# Altium PCB hand_main_board_v2.PcbDoc (part 1 of 4) (continued)
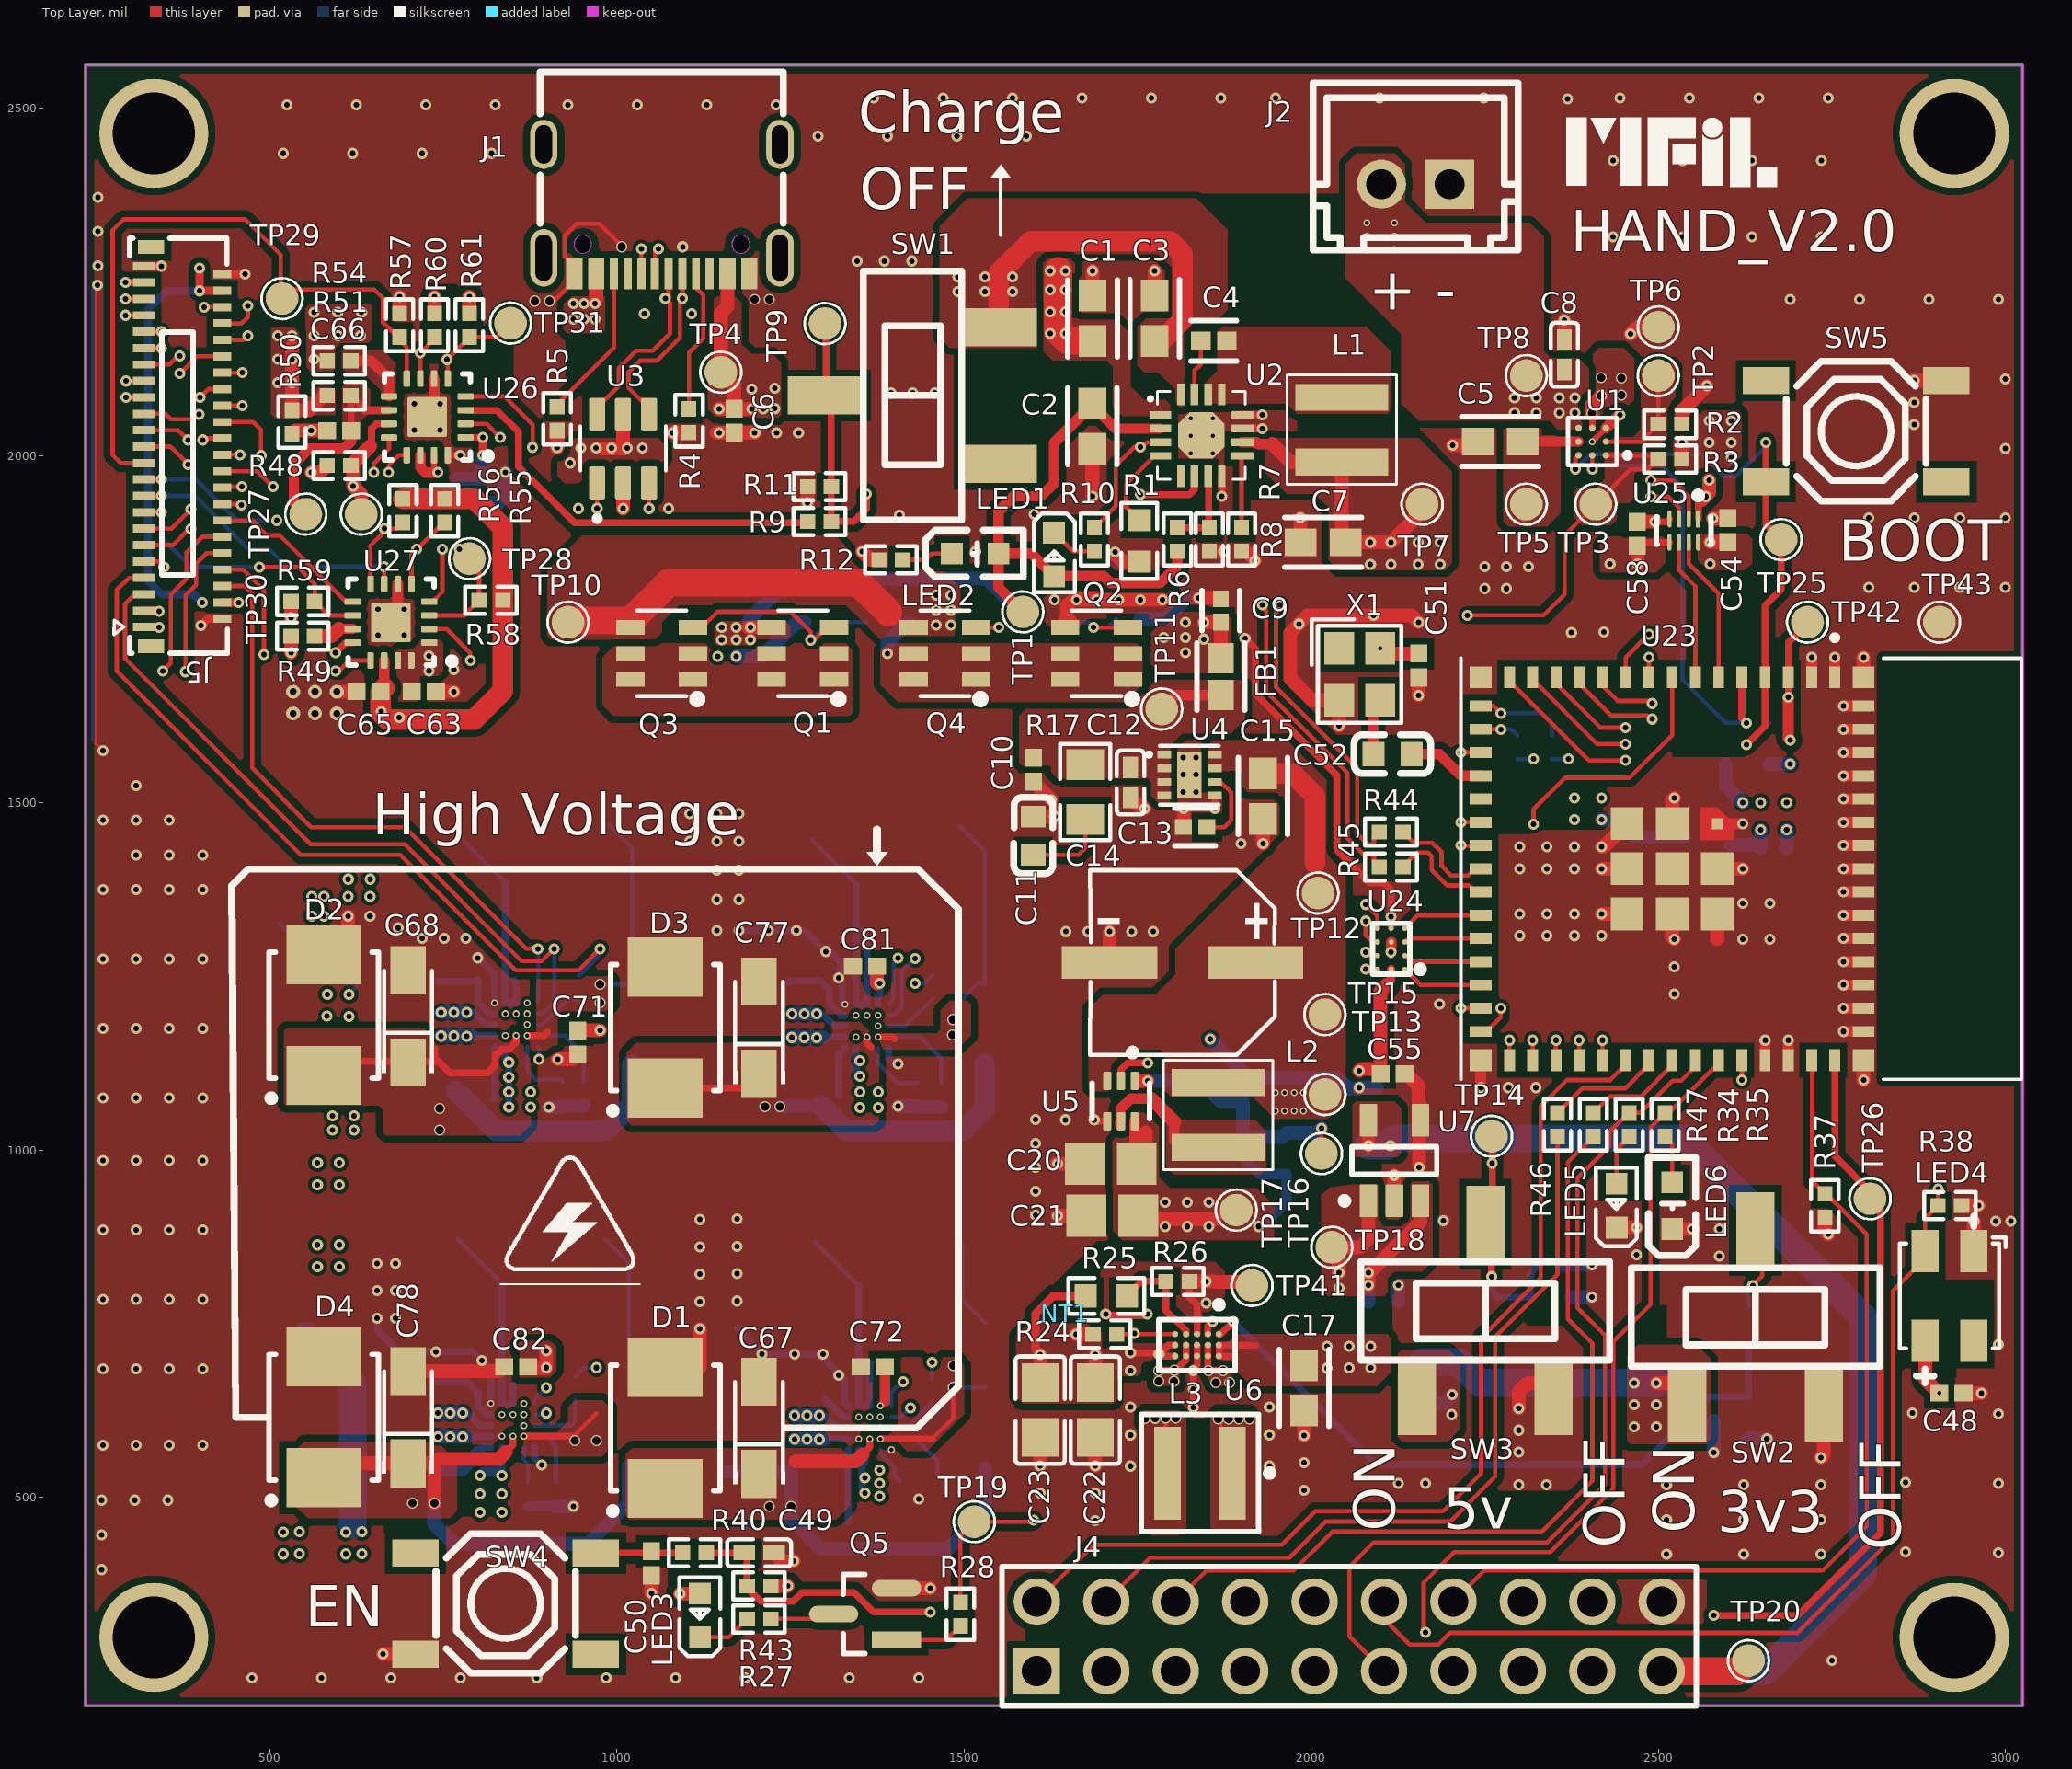
[diagram p0: Top Layer view]
## Components (designator, comment, footprint, x,y, rotation, side; value= is the part's Value field where it differs from the comment) (continued)
L7 "10uH" IND-SMD_L7.8-W7.0-A 877.43,862.22 r180 bottom
LED1 "KT-0603R" LED0603-RD 1630,1857.68 r270 top
LED2 "KT-0603W" LED0603-R-RD_WHITE 1516.32,1858.88 r0 top
LED3 "19-213/Y2C-CQ2R2L/3T(CY)" LED0603-RD-YELLOW 1120,330 r90 top
LED4 "WS2812B-MINI-V3/W" LED-SMD_4P-L3.5-W3.5-TL_WS2812B 2919.5,790 r90 top
LED5 "KT-0603R" LED0603-RD 2440,920 r90 top
LED6 "KT-0603W" LED0603-R-RD_WHITE 2520,920 r90 top
NT1 "NT" NT 1645,765 r225 top net-tie
Q1 "DMP2035UVT-7" SOT-26_L3.0-W1.6-P0.95-LS2.8-BL 1268.33,1715 r90 top
Q2 "DMP2035UVT-7" SOT-26_L3.0-W1.6-P0.95-LS2.8-BL 1691,1715 r90 top
Q3 "DMP2035UVT-7" SOT-26_L3.0-W1.6-P0.95-LS2.8-BL 1065,1715 r90 top
Q4 "DMP2035UVT-7" SOT-26_L3.0-W1.6-P0.95-LS2.8-BL 1472.67,1715 r90 top
Q5 "AO3400A" FP-SOT23-IPC_A 1357.76,331.95 r180 top
R1 "27kΩ" R0603 1752.48,1877.07 r90 top
R2 "10kΩ" R0402 2517.04,2045 r180 top
R3 "10kΩ" R0402 2517.04,1995 r0 top
R4 "5.1kΩ" R0402 1104.17,2050 r90 top
R5 "5.1kΩ" R0402 914.17,2052.96 r90 top
R6 "10kΩ" R0402 1807.48,1879.11 r90 top
R7 "10kΩ" R0402 1853.74,1879.11 r270 top
R8 "330Ω" R0402 1900,1879.11 r90 top
R9 "10kΩ" R0402 1292.04,1905 r180 top
R10 "1.5kΩ" R0402 1688,1879.11 r270 top
R11 "100kΩ" R0402 1292.04,1955 r0 top
R12 "1.5kΩ" R0402 1395,1850 r0 top
R13 "100Ω" R0603 1620.34,1760 r180 bottom
R14 "100Ω" R0603 1390.34,1760 r180 bottom
R15 "100kΩ" R0402 1287.96,1760 r0 bottom
R16 "100kΩ" R0402 1737.04,1765 r180 bottom
R17 "1Ω" R0805 1675,1515.63 r90 top
R18 "75kΩ" R0603 2630,745.34 r270 bottom
R19 "75kΩ" R0603 2160,665 r270 bottom
R20 "49.9kΩ" R0603 2630,615.34 r270 bottom
R21 "49.9kΩ" R0603 2345.78,788.31 r180 bottom
R22 "732kΩ" R0603 1964.6,995.37 r270 bottom
R23 "100kΩ" R0402 1902,1087.04 r270 bottom
R24 "100kΩ" R0402 1702.96,735 r180 top
R25 "511kΩ" R0603 1705.34,790 r180 top
R26 "91kΩ" R0402 1808,811 r180 top
R27 "1.5kΩ" R0402 1205,325 r180 top
R28 "1kΩ" R0402 1495,331.95 r90 top
R34 "1kΩ" R0402 2458.3,1036.34 r270 top
R35 "1kΩ" R0402 2510,1036.34 r270 top
R36 "22Ω" R0402 2296.74,1579.96 r90 bottom
R37 "47kΩ" R0402 2740,920 r90 top
R38 "47kΩ" R0402 2920,920 r180 top
R39 "3.6kΩ" R0603 2596.98,1585.34 r270 bottom
R40 "0Ω" R0402 1112.04,420 r0 top
R41 "22Ω" R0402 2347,1579.96 r90 bottom
R42 "3.6kΩ" R0603 2660,1585.34 r270 bottom
R43 "10kΩ" R0402 1205,372.5 r180 top
R44 "0Ω" R0402 2115.17,1457.89 r180 top
R45 "0Ω" R0402 2115.17,1407.63 r180 top
R46 "22Ω" R0402 2354.91,1036.34 r270 top
R47 "22Ω" R0402 2406.61,1036.34 r270 top
R48 "10kΩ" R0402 600.19,1985.53 r180 top
R49 "10kΩ" R0402 547.96,1740 r180 top
R50 "100kΩ" R0402 532.23,2048.21 r90 top
R51 "100kΩ" R0402 600.19,2086.05 r0 top
R54 "100kΩ" R0402 600.19,2136.31 r0 top
R55 "10kΩ" R0402 752.23,1920.53 r270 top
R56 "10kΩ" R0402 692.23,1920.53 r90 top
R57 "100kΩ" R0402 687.23,2187.57 r270 top
R58 "10kΩ" R0402 819,1791.43 r180 top
R59 "10kΩ" R0402 547.96,1790 r180 top
R60 "100kΩ" R0402 737.49,2187.57 r270 top
R61 "100kΩ" R0402 787.75,2187.57 r270 top
R62 "22Ω" R0402 945.23,1233.74 r270 bottom
R63 "22Ω" R0402 1454.04,653.22 r270 bottom
R64 "200mΩ" R1206 1022.43,1180.52 r90 bottom
R65 "200mΩ" R1206 1531.23,600 r90 bottom
R66 "22Ω" R0402 1455,1235 r270 bottom
R67 "22Ω" R0402 940.23,656.73 r270 bottom
R68 "200mΩ" R1206 1530,1181.78 r90 bottom
R69 "200mΩ" R1206 1017.43,603.51 r90 bottom
SW1 "MST-22D18G2 3J" SW-SMD_SHOUHAN_MST-22D18G23J_C2875122 1425.78,2086.42 r90 top
SW2 "MST-22D18G2 3J" SW-SMD_SHOUHAN_MST-22D18G23J_C2875122 2640,760 r0 top
SW3 "MST-22D18G2 3J" SW-SMD_SHOUHAN_MST-22D18G23J_C2875122 2251.01,769 r0 top
SW4 "TS-1187A-B-A-B" SW-SMD_4P-L5.1-W5.1-P3.70-LS6.5-TL-2 840.08,347.16 r0 top
SW5 "TS-1187A-B-A-B" SW-SMD_4P-L5.1-W5.1-P3.70-LS6.5-TL-2 2785,2035 r180 top
TP1 "Test point" Test_Point 1585,1775 r90 top
TP2 "Test point" Test_Point 2500,2115 r0 top
TP3 "Test point" Test_Point 2410,1930 r0 top
TP4 "Test point" Test_Point 1150,2120 r90 top
TP5 "Test point" Test_Point 2310,1930 r0 top
TP6 "Test point" Test_Point 2500,2185 r0 top
TP7 "Test point" Test_Point 2160,1930 r270 top
TP8 "Test point" Test_Point 2310,2115 r0 top
TP9 "Test point" Test_Point 1300,2190 r90 top
TP10 "Test point" Test_Point 930,1760 r0 top
TP11 "Test point" Test_Point 1785,1635 r0 top
TP12 "Test point" Test_Point 2010,1370 r90 top
TP13 "Test point" Test_Point 2020,1080 r90 top
TP14 "Test point" Test_Point 2260,1020 r90 top
TP15 "Test point" Test_Point 2020,1195 r90 top
TP16 "Test point" Test_Point 2015,995 r90 top
TP17 "Test point" Test_Point 1892.23,913.56 r90 top
TP18 "Test point" Test_Point 2030,860 r90 top
TP19 "Test point" Test_Point 1515,465 r90 top
TP20 "Test point" Test_Point 2630,265 r90 top
TP25 "Test point" Test_Point 2677.01,1879 r90 top
TP26 "Test point" Test_Point 2805,930 r90 top
TP27 "Test point" Test_Point 632.23,1915.53 r270 top
TP28 "Test point" Test_Point 788.04,1851.35 r270 top
TP29 "Test point" Test_Point 518,2226 r270 top
TP30 "Test point" Test_Point 552.23,1915.53 r180 top
TP31 "Test point" Test_Point 847.23,2190.53 r270 top
TP32 "Test point" Test_Point 1181.08,452.29 r270 bottom
TP33 "Test point" Test_Point 769.23,1084.82 r270 bottom
TP34 "Test point" Test_Point 609,1235 r0 bottom
TP35 "Test point" Test_Point 590.19,1096.54 r0 bottom
TP36 "Test point" Test_Point 1272.43,1071.73 r270 bottom
TP37 "Test point" Test_Point 737.43,442.08 r270 bottom
TP41 "Test point" Test_Point 1915,805 r90 top
TP42 "Test point" Test_Point 2715,1760 r90 top
TP43 "Test point" Test_Point 2905,1760 r90 top
U1 "BQ27427YZFR" DSBGA-9_L1.6-W1.6-R3-C3-P0.50-TL 2405,2020 r180 top
U2 "BQ25302RTER" WQFN-16_L3.0-W3.0-P0.50-BL-EP1.7 1842,2029.02 r270 top
U3 "USBLC6-2SC6" SOT95P280X145-6N 1009.17,2010 r90 top
U4 "TPS22965DSGR" UDFN-8_L2.0-W2.0-P0.50-TL-EP 1824.9,1539.84 r0 top
U5 "TPS61023DRLR" FP-DRL0006A-MFG 1726.27,1070.63 r270 top
U6 "TPS63806YFFR" FP-YFF0015-MFG 1835.75,719.31 r270 top
U7 "TLV70218DBVR" DBV0005A_M 2120,985 r90 top
U23 "ESP32-S3-MINI-1-N8" XCVR_ESP32-S3-MINI-1-N8 2520.04,1405.04 r270 top
U24 "TXB0104YZTR" FP-YZT0012-IPC_B 2115.32,1289.84 r180 top
U25 "TXS0102DQER" FP-DQE0008A-IPC_C 2536.89,1891.82 r270 top
U26 "TCA6408ARGTR" RGT0016A_V 727.23,2055.53 r180 top
U27 "TCA6408ARGTR" RGT0016A_V 675,1760 r180 top
U28 "BOS1901CWR" BOS1901_BGA25C40P5X5_212X224X66 855.44,1180.52 r0 bottom
U29 "BOS1901CWR" BOS1901_BGA25C40P5X5_212X224X66 1364.25,600 r0 bottom
U30 "BOS1901CWR" BOS1901_BGA25C40P5X5_212X224X66 1360.44,1178.51 r0 bottom
U31 "BOS1901CWR" BOS1901_BGA25C40P5X5_212X224X66 850.44,603.51 r0 bottom
X1 "32.768kHz" OSC-SMD_4P-L2.5-W2.0-BL 2070,1685 r270 top

## Footprints (in the part's own frame and the unit in brackets; to place one, negate y for a bottom-side part, rotate by r counter-clockwise, add the part's x,y. Pads: shape width x height; smd on the part's side, far side on the other; paste and mask are expansions set on the pad)
BOS1901_BGA25C40P5X5_212X224X66 [mm] "BGA, 25-Leads, Body 2.13x2.25mmx0.67mm, Pitch 0.40mm"
  round 0.2 smd mask+0.05: A1(-0.8,0.8) A2(-0.4,0.8) A3(0,0.8) A4(0.4,0.8) A5(0.8,0.8) B1(-0.8,0.4) B2(-0.4,0.4) B3(0,0.4) B4(0.4,0.4) B5(0.8,0.4) C1(-0.8,0) C2(-0.4,0) C3(0,0) C4(0.4,0) C5(0.8,0) D1(-0.8,-0.4) D2(-0.4,-0.4) D3(0,-0.4) D4(0.4,-0.4) D5(0.8,-0.4) E1(-0.8,-0.8) E2(-0.4,-0.8) E3(0,-0.8) E4(0.4,-0.8) E5(0.8,-0.8)
  silkscreen extent -1.4,-1.45 1.4,1.45, body extent -1.06,-1.11 1.06,1.11, height 0.63
C0402 [mm]
  rect 0.79x0.54 smd paste-100 mask+0.051: 1(-0.545,0) 2(0.545,0)
  silkscreen extent -1.17,-0.5 1.17,0.5, body extent -0.5,-0.25 0.5,0.25, height 0.5
C0603 [mm]
  rect 0.8x0.9 smd: 1(-0.7,0) 2(0.7,0)
  silkscreen extent -1.41,-0.71 1.39,0.72, body extent -0.8,-0.4 0.8,0.4, height 0.8
C0805 [mm]
  rect 1.41x1.35 smd paste-100 mask+0.051: 1(-1,0) 2(1,0)
  silkscreen extent -1.96,-0.9 1.96,0.9, body extent -1,-0.65 1,0.65, height 1.3
C1206 [mm]
  rect 1.485x1.728 smd paste-100 mask+0.051: 1(-1.593,0) 2(1.593,0)
  silkscreen extent -2.56,-1.09 2.56,1.09, body extent -1.6,-0.8 1.6,0.8, height 1.3
CAP-SMD_BD6.3-L6.6-W6.6-LS7.2-FD [mm]
  rect 3.5x1.2 smd: 1(-2.67,0) 2(2.67,0)
  silkscreen extent -3.38,-3.38 3.38,3.38, body extent -3.6,-3.3 3.6,3.3, height 7.72
CAP-SMD_L3.2-W1.6-RD-C7171 [mil]
  rect 69.19x51.02 smd: 1(-66.39,0) 2(66.39,0)
  silkscreen extent -81,-37 66,37, body extent -63,-31 63,31, height 67
CAPC1050X55X23NL05T13 [mm] "Chip Capacitor, 2-Leads, Body 1.05x0.55mm, IPC Medium Density"
  rect 0.66x0.62 smd: 1(-0.44,0) 2(0.44,0)
  body extent -0.53,-0.28 0.53,0.27, height 0.55
CAPC2013X140X45ML15T25 [mm] "Chip Capacitor, 2-Leads, Body 2.15x1.4mm, IPC Low Density"
  rect 1.45x1.55 smd: 1(-0.95,0) 2(0.95,0)
  body extent -1.07,-0.7 1.08,0.7, height 1.4
CON_522072460_MOL [mm]
  rect 0.6x1.9 smd paste+0 mask+0.076: 1(-11.5,3.15) 2(-10.5,3.15) 3(-9.5,3.15) 4(-8.5,3.15) 5(-7.5,3.15) 6(-6.5,3.15) 7(-5.5,3.15) 8(-4.5,3.15) 9(-3.5,3.15) 10(-2.5,3.15) 11(-1.5,3.15) 12(-0.5,3.15) 13(0.5,3.15) 14(1.5,3.15) 15(2.5,3.15) 16(3.5,3.15) 17(4.5,3.15) 18(5.5,3.15) 19(6.5,3.15) 20(7.5,3.15) 21(8.5,3.15) 22(9.5,3.15) 23(10.5,3.15) 24(11.5,3.15)
  rect 2.1x2.8 smd paste+0 mask+0.076: P1(-14.65,0.8) P2(14.65,0.8)
  silkscreen extent -15.15,-3.8 15.15,6.2, body extent -15.15,-3.71 15.15,3.89, height 2.7
CONN-TH_2P-P2.50_HX25003-2A [mm]
  rect 1.8x1.8 hole 1.1 paste-2539.97 mask+0.05: 1(-1.25,0)
  round 1.8 hole 1.1 paste-2539.97 mask+0.05: 2(1.25,0)
  silkscreen extent -3.75,-3.7 3.75,2.41, body extent -3.75,-3.5 3.75,2.4, height 7.3
DBV0005A_M [mm] "SOT23, 5-Leads, Body 3.05x1.75mm, Pitch 0.95mm, IPC Low Density"
  rrect15% 1.2x0.65 smd: 1(-1.475,0.95) 2(-1.475,0) 3(-1.475,-0.95) 4(1.475,-0.95) 5(1.475,0.95)
  silkscreen extent -1.6,-1.55 0.5,1.95, body extent -1.42,-1.46 1.42,1.46, height 1.08
DSBGA-9_L1.6-W1.6-R3-C3-P0.50-TL [mm]
  round 0.24 smd paste-100 mask+0.038: A1(-0.5,0.5) A2(0,0.5) A3(0.5,0.5) B1(-0.5,0) B2(0,0) B3(0.5,0) C1(-0.5,-0.5) C2(0,-0.5) C3(0.5,-0.5)
  silkscreen extent -1.39,-0.87 0.89,0.87, body extent -0.79,-0.81 0.79,0.81, height 0.64
FP-BLM18-0_15-t0_5-d1_2-IPC_B [mil]
  rect 43.55x37.73 smd paste+0 mask+0: 1(-26.62,0) 2(26.62,0)
  silkscreen extent -48,-35 48,35, body extent -31,-16 31,16, height 26
FP-CL10-IPC_A [mil]
  rect 45.6x39.85 smd paste+0 mask+0: 1(-32.56,0) 2(32.56,0)
  silkscreen extent -55,-36 55,36, body extent -75,-40 75,40, height 10
FP-CL165-IPC_B [mil]
  rect 24.23x22.54 smd paste+0 mask+0: 1(-16.87,0) 2(16.87,0)
  silkscreen extent -29,-27 29,27, body extent -20,-10 20,10, height 22
FP-CL579-IPC_A [mil]
  rect 28.16x26.48 smd paste+0 mask+0: 1(-18.84,0) 2(18.84,0)
  silkscreen extent -33,-29 33,29, body extent -41,-21 41,21, height 10
FP-DQE0008A-IPC_C [mm]
  rect 0.618x0.157 smd paste+0 mask+0: 1(-0.427,0.525)
  rrect100% 0.618x0.157 smd paste+0 mask+0: 2(-0.427,0.175) 3(-0.427,-0.175) 4(-0.427,-0.525) 5(0.427,-0.525) 6(0.427,-0.175) 7(0.427,0.175) 8(0.427,0.525)
  silkscreen extent -1.41,-1 0.5,1, body extent -0.84,-0.8 0.84,0.8, height 0.25
FP-DRL0006A-MFG [mm]
  rrect33% 0.67x0.3 smd paste+0 mask+0: 1(-0.74,0.5) 2(-0.74,0) 3(-0.74,-0.5) 4(0.74,-0.5) 5(0.74,0) 6(0.74,0.5)
  silkscreen extent -1.9,-1.05 0.65,1.05, body extent -1.17,-1.1 1.17,1.1, height 0.25
FP-GJM155-0_05-IPC_C [mil]
  rect 20.29x18.6 smd paste+0 mask+0: 1(-14.9,0) 2(14.9,0)
  silkscreen extent -25,-27 25,27, body extent -20,-10 20,10, height 22
FP-SOT23-IPC_A [mm]
  rect 1.805x0.612 smd paste+0 mask+0: 1(-1.15,0.95)
  rrect100% 1.805x0.612 smd paste+0 mask+0: 2(-1.15,-0.95) 3(1.15,0)
  silkscreen extent 0,-1.45 0.8,1.45, body extent -2.55,-1.95 2.55,1.95, height 0.25
FP-XFL4015-MFG [mm]
  rect 0.98x3.4 smd paste+0 mask+0: 1(-1.185,0) 2(1.185,0)
  silkscreen extent -2.68,-2.15 2.15,2.15, body extent -2.25,-2.25 2.25,2.25, height 0.25
FP-YFF0015-MFG [mm]
  round 0.23 smd paste-1000 mask-1000: A1(-0.4,0.8) A2(0,0.8) A3(0.4,0.8) B1(-0.4,0.4) B2(0,0.4) B3(0.4,0.4) C1(-0.4,0) C2(0,0) C3(0.4,0) D1(-0.4,-0.4) D2(0,-0.4) D3(0.4,-0.4) E1(-0.4,-0.8) E2(0,-0.8) E3(0.4,-0.8)
  silkscreen extent -1.6,-1.39 0.94,1.39, body extent -1.19,-1.64 1.19,1.64, height 0.25
FP-YZT0012-IPC_B [mm]
  round 0.196 smd paste+0 mask+0: A1(-0.5,0.75) A2(0,0.75) A3(0.5,0.75) B1(-0.5,0.25) B2(0,0.25) B3(0.5,0.25) C1(-0.5,-0.25) C2(0,-0.25) C3(0.5,-0.25) D1(-0.5,-0.75) D2(0,-0.75) D3(0.5,-0.75)
  silkscreen extent -1.19,-0.93 0.68,0.93, body extent -0.93,-1.18 0.93,1.18, height 0.25
FPC-SMD_FH35C-45S-0.3SHW-50 [mm]
  rect 0.3x0.8 smd: 1(6.6,-1.438) 3(6,-1.438) 5(5.4,-1.438) 7(4.8,-1.438) 9(4.2,-1.438) 11(3.6,-1.437) 13(3,-1.438) 15(2.4,-1.438) 17(1.8,-1.438) 19(1.2,-1.438) 21(0.6,-1.438) 23(0,-1.438) 25(-0.6,-1.438) 27(-1.2,-1.438) 29(-1.8,-1.438) 31(-2.4,-1.438) 33(-3,-1.438) 35(-3.6,-1.438) 37(-4.2,-1.438) 39(-4.8,-1.438) 41(-5.4,-1.438) 43(-6,-1.438) 45(-6.6,-1.438)
  rect 0.3x0.65 smd: 2(6.3,1.438) 4(5.7,1.438) 6(5.1,1.438) 8(4.5,1.438) 10(3.9,1.438) 12(3.3,1.438) 14(2.7,1.438) 16(2.1,1.438) 18(1.5,1.438) 20(0.9,1.438) 22(0.3,1.438) 24(-0.3,1.438) 26(-0.9,1.438) 28(-1.5,1.438) 30(-2.1,1.438) 32(-2.7,1.438) 34(-3.3,1.438) 36(-3.9,1.438) 38(-4.5,1.438) 40(-5.1,1.438) 42(-5.7,1.438) 44(-6.3,1.438)
  rect 0.5x0.95 smd: 46(-7.3,-1.162) 47(7.3,-1.162)
  silkscreen extent -7.62,-2.52 7.55,1.63, body extent -7.55,-1.61 7.55,2.59, height 0.91
HDR-TH_20P-P2.54-V-M-R2-C10-S2.54 [mm]
  rect 1.7x1.7 hole 1.1: 1(-11.43,-1.27)
  round 1.7 hole 1.1: 2(-11.43,1.27) 3(-8.89,-1.27) 4(-8.89,1.27) 5(-6.35,-1.27) 6(-6.35,1.27) 7(-3.81,-1.27) 8(-3.81,1.27) 9(-1.27,-1.27) 10(-1.27,1.27) 11(1.27,-1.27) 12(1.27,1.27) 13(3.81,-1.27) 14(3.81,1.27) 15(6.35,-1.27) 16(6.35,1.27) 17(8.89,-1.27) 18(8.89,1.27) 19(11.43,-1.27) 20(11.43,1.27)
  silkscreen extent -12.7,-2.54 12.7,2.54, body extent -12.7,-2.54 12.7,2.54, height 8.49
IND-SMD_L7.8-W7.0-A [mm]
  rect 3.5x7 smd: 1(-2.7,0) 2(2.7,0)
  silkscreen extent -3.9,-3.7 3.9,3.7, body extent -3.89,-3.5 3.89,3.51, height 5
LED0603-R-RD_WHITE [mm]
  rect 0.8x0.8 smd: 1(0.851,0) 2(-0.851,0)
  silkscreen extent -1.82,-0.86 1.77,0.86, body extent -0.81,-0.41 0.81,0.4, height 0.81
LED0603-RD [mm]
  rect 0.8x0.8 smd: 1(-0.799,-0.003) 2(0.799,0.003)
  silkscreen extent -1.49,-0.75 1.39,0.76, body extent -0.81,-0.41 0.81,0.41, height 0.56
LED0603-RD-YELLOW [mm]
  rect 0.8x0.8 smd: 1(-0.799,-0.003) 2(0.799,0.003)
  silkscreen extent -1.49,-0.75 1.39,0.76, body extent -0.81,-0.41 0.81,0.41, height 0.56
LED-SMD_4P-L3.5-W3.5-TL_WS2812B [mm]
  rect 1.545x0.997 smd: 1(-1.638,0.89) 2(-1.638,-0.89) 3(1.638,-0.89) 4(1.638,0.89)
  silkscreen extent -3.17,-2.04 2.92,1.82, body extent -1.85,-1.85 1.85,1.86, height 2.06
NT [mm] "Net Tie SMD"
  rect 1x1 on Mid1 paste-100 mask-100: 1(-0.762,0) 2(0.762,0)
  GND02 region: -0.381,-0.381 0.381,-0.381 0.381,0.381 -0.381,0.381
ONSC-SMB-2-403A-03_H_V [mil] "Molded, 2-Leads, Body 4.6x3.95mm"
  rect 85x107.99 smd: 1(-87.01,0) 2(87.01,0)
  silkscreen extent -125,-79 91,81, body extent -91,-78 91,78, height 95
OSC-SMD_4P-L2.5-W2.0-BL [mm]
  rect 1.2x1.1 smd: 1(-0.95,-0.75) 2(0.95,-0.75) 3(0.95,0.75) 4(-0.95,0.75)
  silkscreen extent -2.01,-1.76 1.78,1.53, body extent -1.25,-1 1.25,1, height 0.57
R0402 [mm]
  rect 0.566x0.54 smd paste-100 mask+0.051: 1(-0.433,0) 2(0.433,0)
  silkscreen extent -0.94,-0.5 0.94,0.5, body extent -0.5,-0.25 0.5,0.25, height 0.5
R0603 [mil]
  rect 31.75x34.02 smd paste-3937.01 mask+2: 1(-29.66,0) 2(29.66,0)
  silkscreen extent -55,-26 55,26, body extent -32,-16 32,16, height 18
R0805 [mm]
  rect 1.133x1.377 smd paste-100 mask+0.051: 1(-1,0) 2(1,0)
  silkscreen extent -1.76,-0.92 1.76,0.92, body extent -1,-0.65 1,0.65, height 0.61
R1206 [mil]
  rect 47.54x66.97 smd paste-3937.01 mask+2: 1(-58.22,0) 2(58.22,0)
  silkscreen extent -91,-42 91,42, body extent -63,-31 63,32, height 22
RGT0016A_V [mm] "QFN, 16-Leads, Body 3x3mm, Pitch 0.5mm, Thermal Pad 1.45x1.45mm"
  rrect42% 0.6x0.24 smd: 1(-1.4,0.75) 2(-1.4,0.25) 3(-1.4,-0.25) 4(-1.4,-0.75) 9(1.4,-0.75) 10(1.4,-0.25) 11(1.4,0.25) 12(1.4,0.75)
  rrect42% 0.24x0.6 smd: 5(-0.75,-1.4) 6(-0.25,-1.4) 7(0.25,-1.4) 8(0.75,-1.4) 13(0.75,1.4) 14(0.25,1.4) 15(-0.25,1.4) 16(-0.75,1.4)
  rrect7% 1.45x1.45 smd paste-0.725: 17(0,0)
  silkscreen extent -2.35,-1.57 1.57,1.58, body extent -1.5,-1.5 1.5,1.5, height 1
SOT95P280X145-6N [mm]
  rrect25% 1.21x0.59 smd: 1(-1.255,0.95) 2(-1.255,0) 3(-1.255,-0.95) 4(1.255,-0.95) 5(1.255,0) 6(1.255,0.95)
  silkscreen extent -2.65,-1.57 0.81,1.57, body extent -1.4,-1.46 1.4,1.46, height 1.44
SOT-26_L3.0-W1.6-P0.95-LS2.8-BL [mm]
  rect 0.532x1.04 smd: 1(-0.95,-1.145) 2(0,-1.145) 3(0.95,-1.145) 4(0.95,1.145) 5(0,1.145) 6(-0.95,1.145)
  silkscreen extent -1.82,-1.45 1.56,0.9, body extent -1.5,-1.4 1.5,1.4, height 0.95
SW-SMD_4P-L5.1-W5.1-P3.70-LS6.5-TL-2 [mm]
  rect 1.7x1 smd: 1(-3.3,1.85) 2(3.3,1.85) 3(-3.3,-1.85) 4(3.3,-1.85)
  silkscreen extent -2.55,-2.55 2.55,2.55, body extent -3.2,-2.6 3.2,2.6, height 1.55
SW-SMD_SHOUHAN_MST-22D18G23J_C2875122 [mm]
  rect 1.4x2.8 smd: 1(-2.5,-3.155) 2(0,3.155) 3(2.5,-3.155)
  silkscreen extent -4.55,-1.81 4.55,1.79, body extent -4.55,-3.7 4.55,3.7, height 5.8
Test_Point [mm] "Test Point"
  round 1.2 smd paste-0.6: TP?(0,0)
  silkscreen extent -0.75,-0.75 0.75,0.75, body extent -0.6,-0.6 0.6,0.6, height 0.03
UDFN-8_L2.0-W2.0-P0.50-TL-EP [mm]
  rect 0.505x0.28 smd: 1(-0.928,0.75) 2(-0.928,0.25) 3(-0.928,-0.25) 4(-0.928,-0.75) 5(0.928,-0.75) 6(0.928,-0.25) 7(0.928,0.25) 8(0.928,0.75)
  rect 0.9x1.7 smd: 9(0,0)
  silkscreen extent -1.55,-1.08 1.08,1.08, body extent -1,-0.99 1,0.99, height 0.81
USB-C-SMD_TYPE-C16PIN [mm]
  oval 1x2.1 hole 0.6 slot 1.7 at 90 deg: 1(-4.32,1.787) 2(4.32,1.787)
  oval 1x1.8 hole 0.6 slot 1.4 at 90 deg: 3(-4.32,-2.362) 4(4.32,-2.362)
  rect 0.6x1.15 smd paste-100 mask+0.051: A1B12(-3.2,2.362) A4B9(-2.4,2.362) B1A12(3.2,2.362) B4A9(2.4,2.362)
  rect 0.3x1.15 smd paste-100 mask+0.051: A5(-1.25,2.362) A6(-0.25,2.362) A7(0.25,2.362) A8(-1.75,2.362) B5(1.75,2.362) B6(0.75,2.362) B7(-0.75,2.362) B8(1.25,2.362)
  Keep-Out Layer board cut-out: 3.215,1.288 3.183,1.429 3.093,1.542 2.962,1.605 2.818,1.605 2.687,1.542 2.597,1.429 2.565,1.288 2.565,1.288 2.597,1.147 2.687,1.034 2.818,0.971 2.962,0.971 3.093,1.034 3.183,1.147 3.215,1.288
  Keep-Out Layer board cut-out: -2.565,1.288 -2.597,1.429 -2.687,1.542 -2.818,1.605 -2.962,1.605 -3.093,1.542 -3.183,1.429 -3.215,1.288 -3.215,1.288 -3.183,1.147 -3.093,1.034 -2.962,0.971 -2.818,0.971 -2.687,1.034 -2.597,1.147 -2.565,1.288
  Multi-Layer pour cut-out: 3.215,1.288 3.183,1.429 3.093,1.542 2.962,1.605 2.818,1.605 2.687,1.542 2.597,1.429 2.565,1.288 2.565,1.288 2.597,1.147 2.687,1.034 2.818,0.971 2.962,0.971 3.093,1.034 3.183,1.147 3.215,1.288
  Multi-Layer pour cut-out: -2.565,1.288 -2.597,1.429 -2.687,1.542 -2.818,1.605 -2.962,1.605 -3.093,1.542 -3.183,1.429 -3.215,1.288 -3.215,1.288 -3.183,1.147 -3.093,1.034 -2.962,0.971 -2.818,0.971 -2.687,1.034 -2.597,1.147 -2.565,1.288
  silkscreen extent -4.45,-5 4.45,0.52, body extent -4.47,-5.08 4.47,2.82, height 3.26
WQFN-16_L3.0-W3.0-P0.50-BL-EP1.7 [mm]
  rect 0.28x0.8 smd paste-100 mask+0.051: 1(-0.75,-1.5) 2(-0.25,-1.5) 3(0.25,-1.5) 4(0.75,-1.5) 9(0.75,1.5) 10(0.25,1.5) 11(-0.25,1.5) 12(-0.75,1.5)
  rect 0.8x0.28 smd paste-100 mask+0.051: 5(1.5,-0.75) 6(1.5,-0.25) 7(1.5,0.25) 8(1.5,0.75) 13(-1.5,0.75) 14(-1.5,0.25) 15(-1.5,-0.25) 16(-1.5,-0.75)
  oct 1.7x1.7 smd paste-100 mask+0.051: 17(0,0)
  silkscreen extent -1.6,-1.87 1.6,1.6, body extent -1.5,-1.5 1.5,1.5, height 0.78
XCVR_ESP32-S3-MINI-1-N8 [mm]
  rect 0.8x0.4 smd: 1(-7,5.95) 2(-7,5.1) 3(-7,4.25) 4(-7,3.4) 5(-7,2.55) 6(-7,1.7) 7(-7,0.85) 8(-7,0) 9(-7,-0.85) 10(-7,-1.7) 11(-7,-2.55) 12(-7,-3.4) 13(-7,-4.25) 14(-7,-5.1) 15(-7,-5.95) 31(7,-5.95) 32(7,-5.1) 33(7,-4.25) 34(7,-3.4) 35(7,-2.55) 36(7,-1.7) 37(7,-0.85) 38(7,0) 39(7,0.85) 40(7,1.7) 41(7,2.55) 42(7,3.4) 43(7,4.25) 44(7,5.1) 45(7,5.95)
  rect 0.4x0.8 smd: 16(-5.95,-7) 17(-5.1,-7) 18(-4.25,-7) 19(-3.4,-7) 20(-2.55,-7) 21(-1.7,-7) 22(-0.85,-7) 23(0,-7) 24(0.85,-7) 25(1.7,-7) 26(2.55,-7) 27(3.4,-7) 28(4.25,-7) 29(5.1,-7) 30(5.95,-7) 46(5.95,7) 47(5.1,7) 48(4.25,7) 49(3.4,7) 50(2.55,7) 51(1.7,7) 52(0.85,7) 53(0,7) 54(-0.85,7) 55(-1.7,7) 56(-2.55,7) 57(-3.4,7) 58(-4.25,7) 59(-5.1,7) 60(-5.95,7)
  rect 1.2x1.2 smd: 61(0,0) 61_2(0,1.65) 61_3(1.65,1.65) 61_4(1.65,0) 61_5(1.65,-1.65) 61_6(0,-1.65) 61_7(-1.65,-1.65) 61_8(-1.65,0)
  rect 0.4x0.4 smd paste-1 mask+0: 61_1(-1.65,1.65)
  rect 0.8x0.8 smd: 62(-7,7) 63(-7,-7) 64(7,-7) 65(7,7)
  Top Layer region: -1.05,1.05 -2.25,1.05 -2.25,1.65 -1.65,2.25 -1.05,2.25
  Keep-Out Layer region: 7.7,7.725 -7.7,7.725 -7.7,12.775 7.7,12.775
  Keep-Out Layer region: 7.7,7.725 -7.7,7.725 -7.7,12.775 7.7,12.775
  silkscreen extent -8.55,-7.73 7.7,12.78, body extent -7.7,-7.73 7.7,12.78, height 2.55
XEL4030101MED [mm]
  rect 0.98x3.4 smd: 1(-1.185,0) 2(1.185,0)
  silkscreen extent -2,-2 2,2, body extent -2,-2 2,2, height 3.3

## Part data
C1 C2 C5: library part CL10A225KO8NNNC, "Cap Ceramic 2.2uF 16V X5R ±10% Pad SMD 0603 +85°C T/R", Case Code (Imperial)=0603, Case Code (Metric)=1608, Dielectric=X5R, Max Operating Temperature=85°C, Min Operating Temperature=-55°C, Package Quantity=4000, Tolerance=10%, Voltage=16V, Capacitance=2.2uF, Case/Package=0603, Contact Plating=Tin, Depth=0.8mm, HEIGHT=0.8mm, Lead Free="Lead Free", Length=1.6mm, Material=Ceramic, Mount="Surface Mount", Packaging="Tape and Reel", Radiation Hardening=No, Thickness=0.035inch, Voltage Rating=16V, Voltage Rating (DC)=16V, Width=0.031inch
C3 C7 C15 C17 C60: library part CL10A106MA8NRNC, "Cap Ceramic 10uF 25V X5R ±20% Pad SMD 0603 +85°C T/R", Case Code (Imperial)=0603, Case Code (Metric)=1608, Dielectric=X5R, Max Operating Temperature=85°C, Min Operating Temperature=-55°C, Package Quantity=1, Tolerance=20%, Voltage Rating=25V, Capacitance=10uF, Case/Package=0603, Contact Plating=Tin, Lead Free="Lead Free", Length=0.063inch, Mount="Surface Mount", Packaging="Tape and Reel", Termination=Wraparound, Thickness=0.035inch, Width=0.031inch
C4: library part CL05B473KO5NNNC, "Cap Ceramic 47nF 16V X7R ±10% SMD 0402 +125°C Paper T/R", Case Code (Imperial)=0402, Case Code (Metric)=1005, Dielectric=X7R, Max Operating Temperature=125°C, Min Operating Temperature=-55°C, Package Quantity=1, Tolerance=10%, Voltage=16V, Capacitance=47nF, Case/Package=0402, Contact Plating=Tin, Depth=0.5mm, HEIGHT=0.5mm, Lead Free="Lead Free", Length=1mm, Mount="Surface Mount", Packaging="Tape and Reel", Radiation Hardening=No, Thickness=0.022inch, Voltage Rating=16V, Voltage Rating (DC)=16V, Width=0.02inch
C6 C10 C16 C18 C48 C50 C51 C53 C54 C55 C56 C58 C59 C62 C63 C64 C65 C66 C69 C70 C71 C72 C75 C76 C79 C80 C81 C82 C85 C86: library part CL05B104KO5NNNC, "Chip Capacitor, 100 nF, +/- 10%, 16 V, -55 to 125 degC, 0402 (1005 Metric), RoHS, Tape and Reel", Capacitance=100000pF, Case Size/Dimension=0402, Dielectric=X7R, Manufacturer="Samsung Electro-Mechanics", Rated Voltage=16V, Tolerance (%)=±10%, Datasheet URL=https://datasheet.ciiva.com/29198/458718-da-01-en-vs-kondensator-0402-29198423.pdf, Datasheet Version=Nov-10, Manufacturer URL=http://www.samsungsem.com/global/index.jsp
C8 C12 C24 C25 C49 C57: library part CL05A105KA5NQNC, "MLCC, 1 uF, 25 V, ± 10%, X5R, 0402 [1005 Metric]", JLCPCB Part Class="Basic Part", LCSC Part Name="1uF ±10% 25V", Manufacturer=SAMSUNG(三星), Temperature Coefficient=X5R, Tolerance=±10%, Voltage Rated=25V, Add into BOM=yes, Convert to PCB=yes, Datasheet=https://atta.szlcsc.com/upload/public/pdf/source/20160218/1457707763339.pdf, Device=CL05A105KA5NQNC, Manufacturer Part=CL05A105KA5NQNC, Name=1uF, Supplier=LCSC, Supplier Footprint=0402, Supplier Part=C52923, Symbol=CL05A105KA5NQNC
C9 C13: library part CL05B103KB5NNNC, "Cap Ceramic 10nF 50V X7R ±10% SMD 0402 +125°C Paper T/R", Case Code (Imperial)=0402, Case Code (Metric)=1005, Dielectric=X7R, Max Operating Temperature=125°C, Min Operating Temperature=-55°C, Package Quantity=1, Tolerance=10%, Voltage=50V, Capacitance=10nF, Case/Package=0402, Contact Plating=Tin, Depth=0.5mm, HEIGHT=0.5mm, Lead Free="Lead Free", Length=1mm, Material=Ceramic, Mount="Surface Mount", Packaging="Tape and Reel", Radiation Hardening=No, Thickness=0.022inch, Voltage Rating=50V, Voltage Rating (DC)=50V, Width=0.02inch
C11: library part CL10A475KO8NNNC, "Multilayer Ceramic Capacitor, 4.7 uF, 16 V, ± 10%, X5R, 0603 [1608 Metric]", JLCPCB Part Class="Basic Part", LCSC Part Name="4.7uF ±10% 16V", Manufacturer=SAMSUNG(三星), Temperature Coefficient=X5R, Tolerance=±10%, Voltage Rated=16V, Add into BOM=yes, Convert to PCB=yes, Datasheet=https://atta.szlcsc.com/upload/public/pdf/source/20160218/1457707763339.pdf, Device=CL10A475KO8NNNC, Manufacturer Part=CL10A475KO8NNNC, Name=4.7uF, Supplier=LCSC, Supplier Footprint=0603, Supplier Part=C19666, Symbol=CL10A475KO8NNNC
C14: library part RVE100UF16V67RV0046, "100uF 16V SMD, D6.3xL5.4mm Aluminum Electrolytic Capacitors - SMD ROHS", Equivalent Series Resistance(ESR)=850mΩ@100kHz, JLCPCB Part Class=扩展库, LCSC Part Name="100uF ±20% 16V", Lifetime @ Temp=2000hrs@105℃, Manufacturer=KNSCHA(科尼盛), Operating Temperature=-55℃~+105℃, Rated Voltage=16V, Ripple Current=170mA@120Hz, Tolerance=±20%, Add into BOM=yes, Convert to PCB=yes, Datasheet=https://atta.szlcsc.com/upload/public/pdf/source/20211014/E793867481A07AC3B19BA2A562D53862.pdf, Device=RVE100UF16V67RV0046, L=5.4mm, Manufacturer Part=RVE100UF16V67RV0046, Name=100uF, Supplier=LCSC, Supplier Footprint=SMD,D6.3xL5.4mm, Supplier Part=C2904878, Symbol=RVE100UF16V67RV0046, φD=6.3mm
C19: library part GJM1555C1H3R0WB01D, "Multi-Layer Ceramic Capacitor 3pF C0G  ±0.05pF 0402 Paper T/R", Case Code (Imperial)=0402, Case Code (Metric)=1005, Dielectric=C0G, Max Operating Temperature=125°C, Min Operating Temperature=-55°C, Package Quantity=10000, Voltage Rating=50V, Capacitance=3pF, Case/Package=0402, Depth=0.5mm, HEIGHT=0.5mm, Length=1mm, Mount="Surface Mount", Packaging="Tape and Reel", Radiation Hardening=No, Termination=SMD/SMT, Thickness=0.022inch, Voltage Rating (DC)=50V, Width=0.5mm
C20 C21 C61: library part CL21A226MAQNNNE, "Multi-layer Ceramic Capacitor, 22 uF, -55 to 85 degC, 2-Pin SMD (0805), RoHS, Tape and Reel", Capacitance=22µF, Manufacturer="Samsung Electro-Mechanics", Operating Temperature=-55°C~85°C, Package / Case=0805(2012Metric), Package Description="2-Pin Surface Mount Device, Body 2.0 x 1.25 mm", Package Reference=0805, Ratings=-, Standard Package=2,000, Temperature Coefficient=X5R, Tolerance=±20%, Voltage - Rated=25V, Applications=GeneralPurpose, Category=Capacitors, Datasheet URL=http://datasheet.octopart.com/CL21A226MAQNNNE-Samsung-datasheet-48647558.pdf, Datasheet Version=07/2015, Family=CeramicCapacitors, Featured Product=Multi-LayerCeramicCapacitors, Features=-, Height - Seated (Max)=-, Lead Spacing=-, Lead Style=-, Manufacturer URL=http://www.samsungsem.com/global/index.jsp, Mounting Technology=SurfaceMount, Mounting Type=SurfaceMount,MLCC, Online Catalog=CLSeries,HighCapacitance, Other Names=1276-2908-2, Packaging=Tape&Reel(TR), Product Training Modules=HighCapMLCCFamily, RoHS Information=MLCCRoHS2Compliance, Series=CL, Size / Dimension="0.079\"Lx0.049\"W(2.00mmx1.25mm)", Thickness (Max)="0.055\"(1.40mm)"
C22 C23: library part CL21A476MQYNNNE, "MLCC, 47 uF, 6.3 V, ± 20%, X5R, 0805 [2012 Metric]", JLCPCB Part Class="Basic Part", LCSC Part Name="47uF ±20% 6.3V", Manufacturer=SAMSUNG(三星), Temperature Coefficient=X5R, Tolerance=±20%, Voltage Rated=6.3V, Add into BOM=yes, Convert to PCB=yes, Datasheet=https://atta.szlcsc.com/upload/public/pdf/source/20160218/1457707763339.pdf, Device=CL21A476MQYNNNE, Manufacturer Part=CL21A476MQYNNNE, Name=47uF, Supplier=LCSC, Supplier Footprint=0805, Supplier Part=C16780, Symbol=CL21A476MQYNNNE
C52: library part CL10C200JB8NNNC, "MLCC, 20pF, 50 V, ± 5%, C0G, 0603 [1608 Metric]", JLCPCB Part Class="Basic Part", LCSC Part Name="20pF ±5% 50V", Manufacturer=SAMSUNG(三星), Temperature Coefficient=C0G, Tolerance=±5%, Voltage Rated=50V, Add into BOM=yes, Convert to PCB=yes, Datasheet=https://atta.szlcsc.com/upload/public/pdf/source/20160218/1457707763339.pdf, Device=CL10C200JB8NNNC, Manufacturer Part=CL10C200JB8NNNC, Name=20pF, Supplier=LCSC, Supplier Footprint=0603, Supplier Part=C1648, Symbol=CL10C200JB8NNNC
C67 C68 C77 C78: library part TAJA106K016RNJ, "10 uF Tantalum Capacitor, Operating Temperature: -55°C to +125°C, ESR: 3Ω @ 100kHz, Tolerance: ±10%, Rated Voltage: 16V.", Equivalent Series Resistance(ESR)=3Ω@100kHz, JLCPCB Part Class=基础库, LCSC Part Name="10uF ±10% 16V", Manufacturer="Kyocera AVX", Operating Temperature=-55℃~+125℃, Rated Voltage=16V, Tolerance=±10%, Add into BOM=yes, Convert to PCB=yes, Datasheet=https://atta.szlcsc.com/upload/public/pdf/source/20160107/1457707750344.pdf, Device=TAJA106K016RNJ, Manufacturer Part=TAJA106K016RNJ, Name=10uF, Supplier=LCSC, Supplier Footprint=CASE-A-3216, Supplier Part=C7171, Symbol=TAJA106K016RNJ
C73 C74 C83 C84: library part GCM31B5C2E103JX01L, "Cap Ceramic 0.01uF 250V C0G 5% SMD 1206 125°C Embossed T/R", JLCPCB Part Class=扩展库, LCSC Part Name="10nF ±5% 250V", Manufacturer=muRata(村田), Temperature Coefficient=-, Tolerance=±5%, Voltage Rated=250V, Add into BOM=yes, Convert to PCB=yes, Datasheet=https://atta.szlcsc.com/upload/public/pdf/source/20200305/C490387_23319AE8C154DEB24C505E6C82A8106A.pdf, Device=GCM31B5C2E103JX01L, Manufacturer Part=GCM31B5C2E103JX01L, Name=10nF, Supplier=LCSC, Supplier Footprint=1206, Supplier Part=C1021645, Symbol=GCM31B5C2E103JX01L
D1 D2 D3 D4: "3 W Zener Voltage Regulator, 2-Pin SMB, Pb-Free, Tape and Reel", Manufacturer="On Semiconductor", ComponentLink1Description="Manufacturer URL", ComponentLink1URL=http://www.onsemi.com/, ComponentLink2Description=Datasheet, ComponentLink2URL=http://www.onsemi.com/pub_link/Collateral/1SMB5913BT3-D.PDF, ComponentLink3Description="Package Specification", ComponentLink3URL=http://www.onsemi.com/pub_link/Collateral/1SMB5913BT3-D.PDF, DatasheetVersion="Rev. 8", Mounting Technology="Surface Mount", PackageDescription="2-Pin Small Molded Package, J-Bend Lead, Body 4.33 x 3.625 mm", PackageReference=SMB-2-403A-03_H, PackageVersion="Rev. H, 05/2011", Packing="Tape and Reel", PartNumber=SZ1SMB5919BT3G, RoHS=Pb-Free, VZ Typ (V)=5.6
FB1: library part BLM18SG700TZ1D, "Chip Ferrite Bead, 0603, 70Ω @ 100MHz, 25%, 0.02Ω, 4A", RoHS Compliant=Yes
J1: "USB Type-C 16 pins connector", Current Rating - Power (Max)=3A, JLCPCB Part Class="Extended Part", LCSC Part Name="Type-C 母 卧贴", Manufacturer="SHOU HAN(首韩)", Operating Temperature Range=-40℃~+85℃, Add into BOM=yes, Connector Type=Type-C, Convert to PCB=yes, Datasheet=https://atta.szlcsc.com/upload/public/pdf/source/20190521/C393939_7B9043D4CF1026AF443AB60D91FBCD5C.pdf, Device=TYPE-C16PIN, Gender=母, Manufacturer Part=TYPE-C16PIN, Mounting Style=卧贴, Name=TYPE-C16PIN, Number of Contacts=16P, Number of Ports=1, Standard=-, Supplier=LCSC, Supplier Footprint=SMD, Supplier Part=C393939, Symbol=TYPE-C16PIN
J2: "XH-2.54 2 Pin, through hole", Current Rating (Max)=3A, JLCPCB Part Class=扩展库, Manufacturer=Megastar(兆星), Operating Temperature Range=-25℃~+85℃, Add into BOM=yes, Contact Material=黄铜, Contact Plating=锡, Convert to PCB=yes, Datasheet=https://atta.szlcsc.com/upload/public/pdf/source/20230619/19BA6947230AA44A04D3EDD65E618FD0.pdf, Device=ZX-XH2.54-2PZZ, LCSC Part Name=ZX-XH2.54-2PZZ, Manufacturer Part=ZX-XH2.54-2PZZ, Mounting Style=直插, Name=ZX-XH2.54-2PZZ, Number of Pins=2P, Number of PINs Per Row=2, Number of Rows=1, Pins Structure=1x2P, Pitch=2.54mm, Reference Series=XH, Row Spacing=-, Supplier=LCSC, Supplier Footprint=插件,P=2.54mm, Supplier Part=C7429632, Symbol=ZX-XH2.54-2PZZ
J3: "FFC 1mm 24P", Mfr_Name="Molex Connector Corporation", RefDes=RefDes, Type=Type
J4: "Pin Header 2.54mm, 2x10", JLCPCB Part Class="Extended Part", Manufacturer=ZHOURI(洲日), Add into BOM=yes, Convert to PCB=yes, Datasheet=https://atta.szlcsc.com/upload/public/pdf/source/20220412/C6BEA3D643D1CE07163CD717B50927E0.pdf, Device=PH2.54-2x10, LCSC Part Name=PH2.54-2x10, Manufacturer Part=PH2.54-2x10, Name=PH2.54-2x10, Number of Pins=20P, Number of Rows=双排, Pin Structure=2x10P, Pitch=2.54mm, Supplier=LCSC, Supplier Footprint=插件,P=2.54mm, Supplier Part=C5116480, Symbol=PH2.54-2x10
J5: "FPC Connector, 45P, 0.3mm, Right Angle, Double Side Connection", JLCPCB Part Class=扩展库, LCSC Part Name="间距:0.3mm P数:45P 翻盖式 双侧触点/上下接", Manufacturer=HRS(广濑), Operating Temperature Range=-55℃~+85℃, Add into BOM=yes, Contact Material=磷青铜, Contact Plating=金, Contact Type=双侧触点/上下接, Convert to PCB=yes, Datasheet=https://atta.szlcsc.com/upload/public/pdf/source/20190903/C424665_6B902B5D9FC6843B4690A059D72505C7.pdf, Device=FH35C-45S-0.3SHW(50), FFC, FCB Thickness=0.2mm, Height Above Board=0.88mm, Locking Feature=翻盖式, Manufacturer Part=FH35C-45S-0.3SHW(50), Mounting Type=卧贴, Name=FH35C-45S-0.3SHW(50), Number of Contacts=45P, Pitch=0.3mm, Supplier=LCSC, Supplier Footprint=SMD,P=0.3mm,卧贴, Supplier Part=C424664, Symbol=FH35C-45S-0.3SHW(50)
L1 L2: library part XEL4030-102MEC, "Power inductor, shielded, 20% tol, SMT, RoHS, halogen-free", Manufacturer_Name=COILCRAFT, Mouser Part Number=994-XEL4030-102MEC, Datasheet Link=https://www.coilcraft.com/pdfs/xel4030.pdf, HEIGHT=3.2mm, Manufacturer_Part_Number=XEL4030-102MEC, Mouser Price/Stock=https://www.mouser.co.uk/ProductDetail/Coilcraft/XEL4030-102MEC?qs=chTDxNqvsynxP6L4IWrGOQ%3D%3D
L3: library part XFL4015-471MEC, "Shielded Power Fixed Inductor 0.47µH 11.2A 8.36mOhm AECQ2, SFR 89MHz", DC Resistance (DCR)=8.36mR, Inductance=470nH, Max DC Current=11.2A, Max Operating Temperature=125°C, Min Operating Temperature=-40°C, Package Quantity=1000, Self Resonant Frequency=89MHz, Test Frequency=100kHz, Tolerance=20%, Core Material=Composite, HEIGHT=1.6mm, Lead Free="Contains Lead", Length=4.3mm, Packaging="Tape and Reel", RoHS Compliant=Yes, Series=XFL4015, Shielding=Shielded, Termination=SMD/SMT, Width=4.3mm
L4 L5 L6 L7: library part CD75T125NP-100KC, "Ind Power Unshielded Wirewound 10uH 10% 2.52MHz 2.3A Carrier T/R", DC Resistance (DCR)=70mΩ, JLCPCB Part Class=扩展库, LCSC Part Name="10uH ±10% 2.8A", Manufacturer=Sumida(胜美达), Rated Current=2.8A, Ratings=AEC-Q200, Tolerance=±10%, Add into BOM=yes, Convert to PCB=yes, Datasheet=https://atta.szlcsc.com/upload/public/pdf/source/20180612/C171578_76546A41B009E6D637AB9F25A289E360.pdf, Device=CD75T125NP-100KC, Manufacturer Part=CD75T125NP-100KC, Name=10uH, Saturation Current (Isat)=2.8A, Supplier=LCSC, Supplier Footprint=SMD,7x7.8mm, Supplier Part=C171577, Symbol=CD75T125NP-100KC
LED1 LED5: "LED, Red 0603", Color Temperature=-, Emitted Color=红色, JLCPCB Part Class=基础库, LCSC Part Name="0603 红灯 高亮", Manufacturer=KENTO, Operating Temperature=-40℃~+85℃, Add into BOM=yes, Convert to PCB=yes, Datasheet=https://atta.szlcsc.com/upload/public/pdf/source/20160616/1466072038404.pdf, Device=KT-0603R, Diode Configuration=-, Dominant Wavelength=-, Forward Current=-, Lens Color=-, Manufacturer Part=KT-0603R, Mounting Sytle=-, Name=KT-0603R, Peak Wavelength=-, Power Dissipation=-, Supplier=LCSC, Supplier Footprint=0603, Supplier Part=C2286, Symbol=KT-0603R, Viewing Angle=-
LED2 LED6: "LED, White 0603", Emitted Color=白色, JLCPCB Part Class=基础库, LCSC Part Name="0603 白灯 高亮", Manufacturer=KENTO, Add into BOM=yes, Convert to PCB=yes, Datasheet=https://atta.szlcsc.com/upload/public/pdf/source/20221101/4C23D5C85BA051E44A00B833D0A41468.pdf, Device=KT-0603W, Manufacturer Part=KT-0603W, Name=KT-0603W, Supplier=LCSC, Supplier Footprint=0603, Supplier Part=C2290, Symbol="0603White light_C2290"
LED3: "LED, Yellow 0603", Color Temperature=-, Emitted Color=黄灯, Forward Current=20mA, JLCPCB Part Class=基础库, Lens Color=无色透明, Manufacturer=EVERLIGHT(亿光), Operating Temperature=-40℃~+85℃, Power Dissipation=60mW, Add into BOM=yes, Convert to PCB=yes, Datasheet=https://atta.szlcsc.com/upload/public/pdf/source/20160507/1462613613586.pdf, Device=19-213/Y2C-CQ2R2L/3T(CY), Diode Configuration=-, Dominant Wavelength=585.5nm~591.5nm, Info=Yellow, LCSC Part Name=黄灯, Manufacturer Part=19-213/Y2C-CQ2R2L/3T(CY), Mounting Sytle=-, Name=Yellow, Peak Wavelength=591nm, Supplier=LCSC, Supplier Footprint=0603, Supplier Part=C72038, Symbol=19-213/Y2C-CQ2R2L/3T(CY), Viewing Angle=120°
LED4: "Main wavelength: 472nm, Main wavelength: 518nm, Main wavelength: 622nm, Emission color: RGB (Red, Green, Blue), Forward voltage (VF): 5V, Forward current: 12mA", Color Temperature=-, Emitted Color=RGB三色, Forward Current=12mA, JLCPCB Part Class=扩展库, Manufacturer=worldsemi, Add into BOM=yes, Convert to PCB=yes, Datasheet=https://atta.szlcsc.com/upload/public/pdf/source/20190620/C114583_ECCAEB884D1CBA01F5696FFC90F90D84.pdf, Device=WS2812B-MINI-V3/W, Diode Configuration=-, Dominant Wavelength=472nm；518nm；622nm, LCSC Part Name=RGB三色, Lens Color=-, Manufacturer Part=WS2812B-MINI-V3/W, Mounting Sytle=-, Name=WS2812B-MINI-V3/W, Operating Temperature=-, Peak Wavelength=-, Power Dissipation=-, Supplier=LCSC, Supplier Footprint=SMD3535, Supplier Part=C527089, Symbol=WS2812B-MINI, Viewing Angle=-
NT1: library part NetTie_SMD
Q1 Q2 Q3 Q4: "P-Channel 20 V 35 mOhm Surface Mount Enhancement Mode Mosfet - TSOT26-6", Continuous Drain Current (Id)=6A, Drain Source On Resistance (RDS(on)@Vgs,Id)=35mΩ@4.5V,4A, Drain Source Voltage (Vdss)=20V, Gate Threshold Voltage (Vgs(th)@Id)=1.5V@250uA, Input Capacitance (Ciss@Vds)=2.4nF@10V, JLCPCB Part Class=扩展库, LCSC Part Name="1个P沟道 耐压:20V 电流:6A", Manufacturer=DIODES(美台), Operating Temperature=-55℃~+150℃@(Tj), Power Dissipation (Pd)=1.2W, Add into BOM=yes, Convert to PCB=yes, Datasheet=https://atta.szlcsc.com/upload/public/pdf/source/20180725/C260934_EBD02C3987C7A81956B20CBEFFB2DB19.pdf, Device=DMP2035UVT-7, Manufacturer Part=DMP2035UVT-7, Name=DMP2035UVT-7, Supplier=LCSC, Supplier Footprint=TSOT-23-6, Supplier Part=C260934, Symbol=DMP2035UVT-7, Total Gate Charge (Qg@Vgs)=23.1nC@4.5V, Type=1个P沟道
Q5: "MOSFET N-CH 30V 5.7A SOT23, C20917, Vth from 0.65 - 1.45 V", Case/Package=SOT-23, Continuous Drain Current (Id)=5.7A, Drain to Source Voltage (Vdss)=30V, Gate to Source Voltage (Vgs)=12V, Input Capacitance=630pF, Max Operating Temperature=150°C, Max Power Dissipation=1.4W, Min Operating Temperature=-55°C, Lead Free="Lead Free", Mount="Surface Mount", Number of Elements=1, Number of Pins=3, Packaging="Tape and Reel", Power Dissipation=1.4W, Radiation Hardening=No, Rds On Max=26.5mR
R1: library part 0603WAF2702T5E, "Resistor, Res Thick Film 0603 27K Ohm 1% 0.1W ±100ppm/°C Pad SMD T/R", JLCPCB Part Class=基础库, LCSC Part Name="27kΩ ±1% 100mW 厚膜电阻", Manufacturer=UNI-ROYAL(厚声), Operating Temperature Range=-55℃~+155℃, Overload Voltage (Max)=75V, Power(Watts)=100mW, Temperature Coefficient=±100ppm/℃, Tolerance=±1%, Add into BOM=yes, Convert to PCB=yes, Datasheet=https://atta.szlcsc.com/upload/public/pdf/source/20200306/C422600_1E6D84923E4A46A82E41ADD87F860B5C.pdf, Device=0603WAF2702T5E, Manufacturer Part=0603WAF2702T5E, Name=27kΩ, Supplier=LCSC, Supplier Footprint=0603, Supplier Part=C22967, Symbol=0603WAF2702T5E, Type=厚膜电阻
R2 R3 R6 R7 R9 R43 R48 R49 R55 R56 R58 R59: library part 0402WGF1002TCE, "Resistor, Res Thick Film 0402 10K Ohm 1% 0.063W(1/16W) ±100ppm/°C Pad SMD T/R", JLCPCB Part Class=基础库, LCSC Part Name="10kΩ ±1% 62.5mW 厚膜电阻", Manufacturer=UNI-ROYAL(厚声), Operating Temperature Range=-55℃~+155℃, Overload Voltage (Max)=50V, Power(Watts)=62.5mW, Temperature Coefficient=±100ppm/℃, Tolerance=±1%, Add into BOM=yes, Convert to PCB=yes, Datasheet=https://atta.szlcsc.com/upload/public/pdf/source/20200306/C422600_1E6D84923E4A46A82E41ADD87F860B5C.pdf, Device=0402WGF1002TCE, Manufacturer Part=0402WGF1002TCE, Name=10kΩ, Supplier=LCSC, Supplier Footprint=0402, Supplier Part=C25744, Symbol=0402WGF1002TCE, Type=厚膜电阻
R4 R5: library part 0402WGF5101TCE, "Resistor, 0402 1% 5K1; Power Rating: 0.0625W; Resistance: 5.1kohm; Tolerance, Resistance: ± 1%; Series: MC;...  0.004", JLCPCB Part Class="Basic Part", LCSC Part Name="5.1kΩ ±1% 62.5mW 厚膜电阻", Manufacturer=UNI-ROYAL(厚声), Operating Temperature Range=-55℃~+155℃, Overload Voltage (Max)=50V, Power(Watts)=62.5mW, Temperature Coefficient=±100ppm/℃, Tolerance=±1%, Add into BOM=yes, Convert to PCB=yes, Datasheet=https://atta.szlcsc.com/upload/public/pdf/source/20200306/C422600_1E6D84923E4A46A82E41ADD87F860B5C.pdf, Device=0402WGF5101TCE, Manufacturer Part=0402WGF5101TCE, Name=5.1kΩ, Supplier=LCSC, Supplier Footprint=0402, Supplier Part=C25905, Symbol=0402WGF5101TCE, Type=厚膜电阻
R8: library part 0402WGF3300TCE, "Resistor, Res Thick Film 0402 330 Ohm 1% 0.063W(1/16W) ±100ppm/°C Pad SMD T/R", JLCPCB Part Class="Basic Part", LCSC Part Name="330Ω ±1% 62.5mW 厚膜电阻", Manufacturer=UNI-ROYAL(厚声), Operating Temperature Range=-55℃~+155℃, Overload Voltage (Max)=50V, Power(Watts)=62.5mW, Temperature Coefficient=±100ppm/℃, Tolerance=±1%, Add into BOM=yes, Convert to PCB=yes, Datasheet=https://atta.szlcsc.com/upload/public/pdf/source/20200306/C422600_1E6D84923E4A46A82E41ADD87F860B5C.pdf, Device=0402WGF3300TCE, Manufacturer Part=0402WGF3300TCE, Name=330Ω, Supplier=LCSC, Supplier Footprint=0402, Supplier Part=C25104, Symbol=0402WGF3300TCE, Type=厚膜电阻